# Altium PCB MB1166.PcbDoc (part 18 of 39)
Units mil, origin at the board's own origin, x right, y up, seen from the top; angles counter-clockwise.
Board outline 5000.99 x 2352.96 mil, 4 copper layers (TOP, L2_GND, L3_VCC, BOTTOM), stack 25.9 mil thick; 35 components, 24 nets, 166 pads, 143 vias.
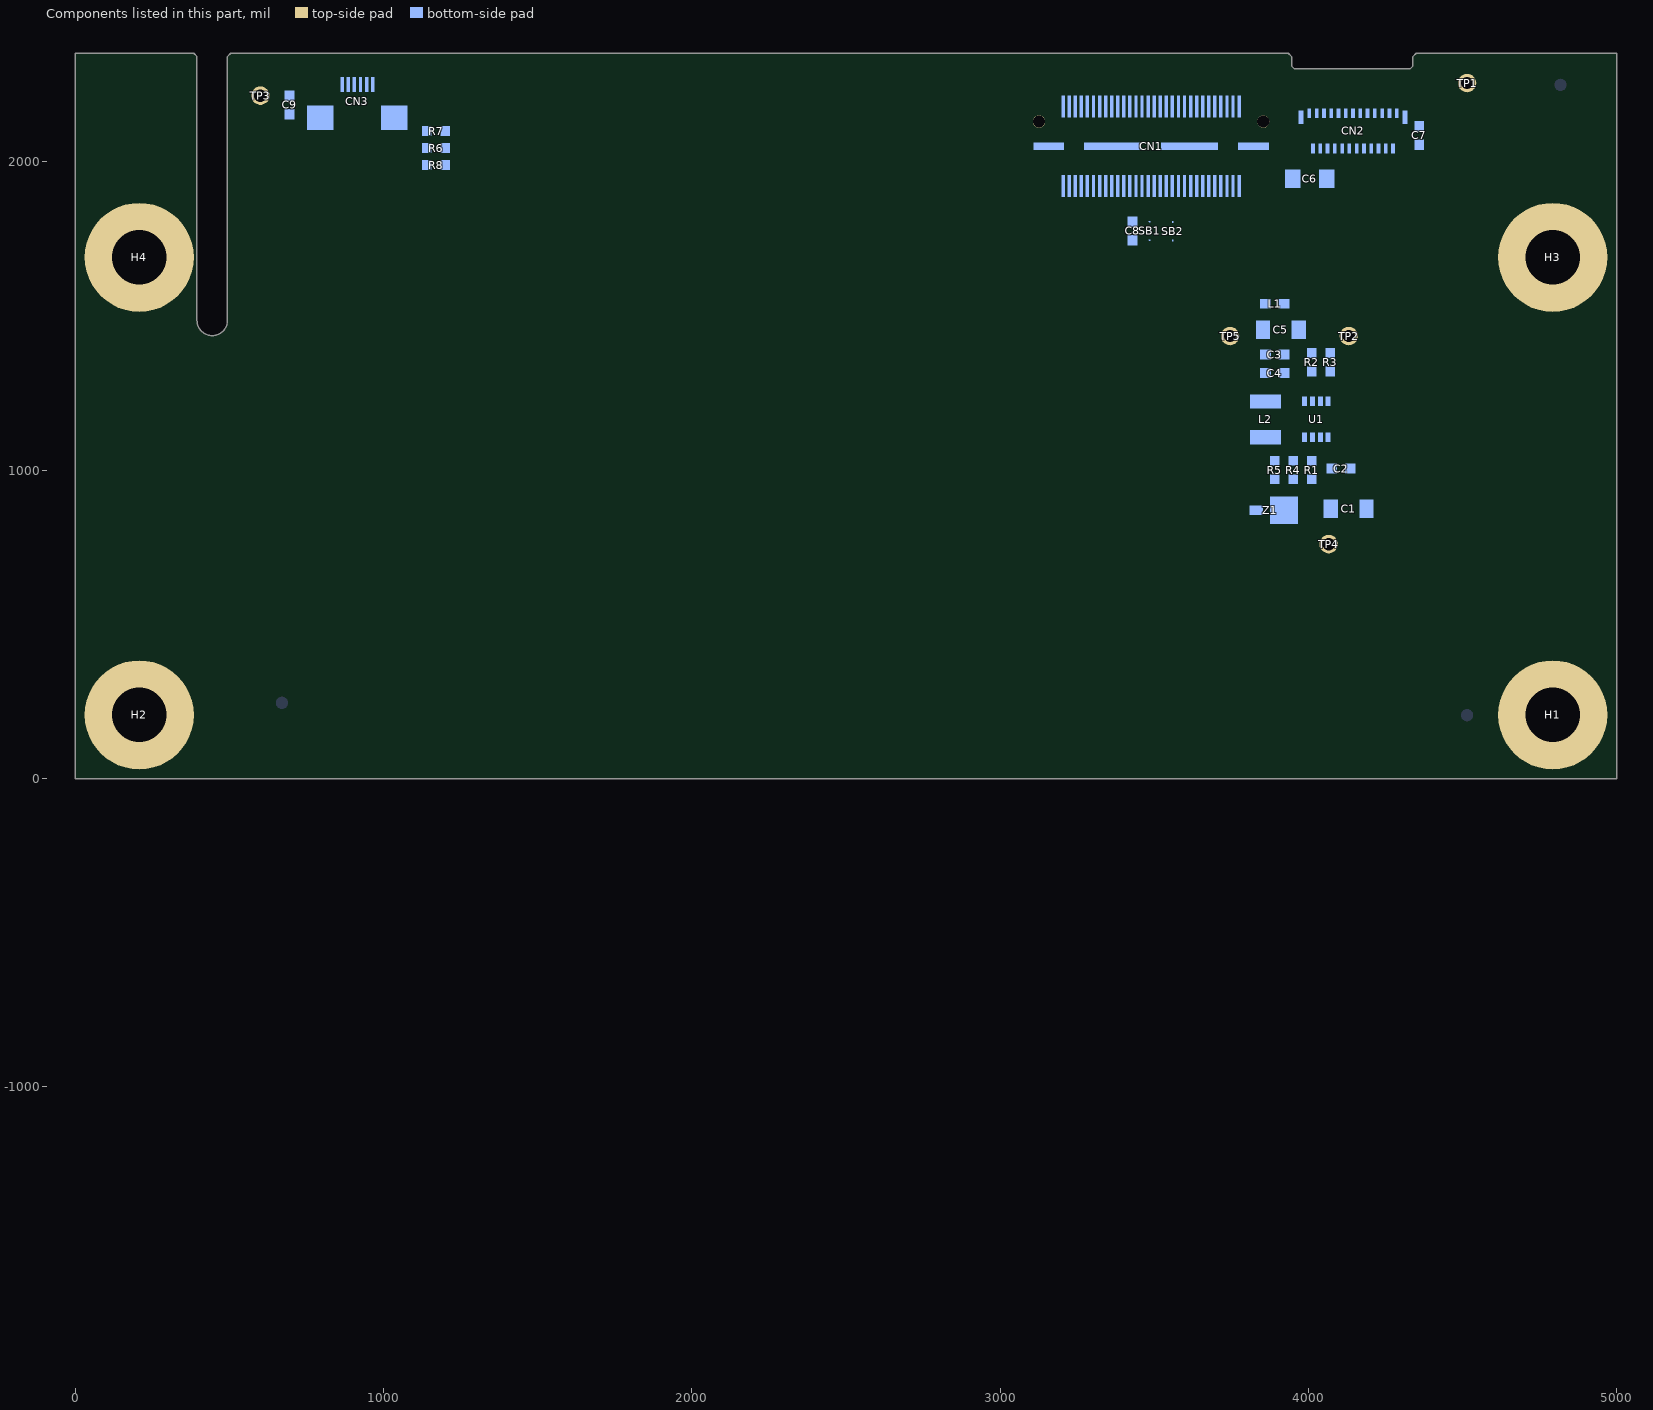
[diagram p20: the components of this part, seen from the top]

## Via types
v1: diameter 24, hole 12, TOP to BOTTOM, 143 vias

## Nets (pads, with @x,y where several pads share a name; then routed paths per layer and width w, separated by ;. In a path a pad name is that pad's centre, name@x,y a point inside that pad or via, vN(x,y) a via of type N, cw(c..) or ccw(c..) an arc to the next point about the centre after c; other vN are vias at no path point) (continued)
copper on no net: (continued)
  TOP w3: 513.31,-1092.9 513.36,-1092.82 ; 513.31,-1084.81 513.41,-1084.78 ; 513.31,-1084.81 513.41,-1084.78 ; 513.36,-1092.82 513.42,-1092.73 ; 513.36,-1092.82 513.42,-1092.73 ; 513.39,-1221.76 513.44,-1221.68 ; 513.39,-1221.76 513.44,-1221.68 ; 513.38,-1163.68 513.44,-1163.76 ; 513.38,-1163.68 513.44,-1163.76 ; 513.42,-1092.73 513.52,-1092.57 ; 513.42,-1092.73 513.52,-1092.57 ; 513.41,-1084.78 513.51,-1084.76 ; 513.41,-1084.78 513.51,-1084.76 ; 513.44,-1221.68 513.5,-1221.6 ; 513.44,-1221.68 513.5,-1221.6 ; 513.44,-1163.76 513.5,-1163.83 ; 513.44,-1163.76 513.5,-1163.83 ; 513.5,-1221.6 513.56,-1221.51 ; 513.5,-1221.6 513.56,-1221.51 ; 513.5,-1163.83 513.57,-1163.91 ; 513.5,-1163.83 513.57,-1163.91 ; 513.52,-1092.57 513.58,-1092.48 ; 513.52,-1092.57 513.58,-1092.48 ; 513.51,-1084.76 513.6,-1084.74 ; 513.51,-1084.76 513.6,-1084.74 ; 513.56,-1221.51 513.68,-1221.35 ; 513.56,-1221.51 513.68,-1221.35 ; 513.57,-1163.91 513.75,-1164.15 ; 513.57,-1163.91 513.75,-1164.15 ; 513.58,-1092.48 513.63,-1092.4 ; 513.58,-1092.48 513.63,-1092.4 ; 513.6,-1084.74 513.9,-1084.68 ; 513.6,-1084.74 513.9,-1084.68 ; 513.63,-1092.4 513.69,-1092.31 ; 513.63,-1092.4 513.69,-1092.31 ; 513.68,-1221.35 513.73,-1221.27 ; 513.68,-1221.35 513.73,-1221.27 ; 513.69,-1092.31 513.74,-1092.23 ; 513.69,-1092.31 513.74,-1092.23 ; 513.73,-1221.27 513.91,-1221.03 ; 513.73,-1221.27 513.91,-1221.03 ; 513.75,-1164.15 513.82,-1164.22 ; 513.75,-1164.15 513.82,-1164.22 ; 513.74,-1092.23 513.8,-1092.15 ; 513.74,-1092.23 513.8,-1092.15 ; 513.82,-1164.22 514,-1164.46 ; 513.82,-1164.22 514,-1164.46 ; 513.8,-1092.15 513.85,-1092.06 ; 513.8,-1092.15 513.85,-1092.06 ; 513.85,-1092.06 513.9,-1091.98 ; 513.85,-1092.06 513.9,-1091.98 ; 513.91,-1221.03 513.97,-1220.94 ; 513.91,-1221.03 513.97,-1220.94 ; 513.9,-1091.98 513.96,-1091.89 ; 513.9,-1091.98 513.96,-1091.89 ; 513.9,-1084.68 513.99,-1084.66 ; 513.9,-1084.68 513.99,-1084.66 ; 513.97,-1220.94 514.02,-1220.86 ; 513.97,-1220.94 514.02,-1220.86 ; 513.96,-1091.89 514.01,-1091.81 ; 513.96,-1091.89 514.01,-1091.81 ; 514.02,-1220.86 514.26,-1220.54 ; 514.02,-1220.86 514.26,-1220.54 ; 514,-1164.46 514.07,-1164.54 ; 514,-1164.46 514.07,-1164.54 ; 514.01,-1091.81 514.07,-1091.73 ; 514.01,-1091.81 514.07,-1091.73 ; 513.99,-1084.66 514.39,-1084.58 ; 513.99,-1084.66 514.39,-1084.58 ; 514.07,-1164.54 514.13,-1164.61 ; 514.07,-1164.54 514.13,-1164.61 ; 514.07,-1091.73 514.12,-1091.64 ; 514.07,-1091.73 514.12,-1091.64 ; 514.12,-1091.64 514.18,-1091.56 ; 514.12,-1091.64 514.18,-1091.56 ; 514.13,-1164.61 514.25,-1164.77 ; 514.13,-1164.61 514.25,-1164.77 ; 514.18,-1091.56 514.23,-1091.47 ; 514.18,-1091.56 514.23,-1091.47 ; 514.26,-1220.54 514.31,-1220.46 ; 514.26,-1220.54 514.31,-1220.46 ; 514.25,-1164.77 514.32,-1164.85 ; 514.25,-1164.77 514.32,-1164.85 ; 514.23,-1091.47 514.29,-1091.39 ; 514.23,-1091.47 514.29,-1091.39 ; 514.31,-1220.46 514.37,-1220.37 ; 514.31,-1220.46 514.37,-1220.37 ; 514.32,-1164.85 514.44,-1165.01 ; 514.32,-1164.85 514.44,-1165.01 ; 514.29,-1091.39 514.34,-1091.31 ; 514.29,-1091.39 514.34,-1091.31 ; 514.37,-1220.37 514.55,-1220.13 ; 514.37,-1220.37 514.55,-1220.13 ; 514.34,-1091.31 514.39,-1091.22 ; 514.34,-1091.31 514.39,-1091.22 ; 514.39,-1091.22 514.45,-1091.14 ; 514.39,-1091.22 514.45,-1091.14 ; 514.39,-1084.58 514.48,-1084.56 ; 514.39,-1084.58 514.48,-1084.56 ; 514.44,-1165.01 514.5,-1165.08 ; 514.44,-1165.01 514.5,-1165.08 ; 514.45,-1091.14 514.5,-1091.06 ; 514.45,-1091.14 514.5,-1091.06 ; 514.5,-1165.08 514.56,-1165.16 ; 514.5,-1165.08 514.56,-1165.16 ; 514.5,-1091.06 514.56,-1090.97 ; 514.5,-1091.06 514.56,-1090.97 ; 514.48,-1084.56 514.88,-1084.48 ; 514.48,-1084.56 514.88,-1084.48 ; 514.55,-1220.13 514.6,-1220.05 ; 514.55,-1220.13 514.6,-1220.05 ; 514.56,-1165.16 514.63,-1165.24 ; 514.56,-1165.16 514.63,-1165.24 ; 514.56,-1090.97 514.61,-1090.89 ; 514.56,-1090.97 514.61,-1090.89 ; 514.6,-1220.05 514.72,-1219.89 ; 514.6,-1220.05 514.72,-1219.89 ; 514.61,-1090.89 514.67,-1090.8 ; 514.61,-1090.89 514.67,-1090.8 ; 514.63,-1165.24 514.87,-1165.56 ; 514.63,-1165.24 514.87,-1165.56 ; 514.67,-1090.8 514.72,-1090.72 ; 514.67,-1090.8 514.72,-1090.72 ; 514.72,-1219.89 514.78,-1219.8 ; 514.72,-1219.89 514.78,-1219.8 ; 514.72,-1090.72 514.78,-1090.64 ; 514.72,-1090.72 514.78,-1090.64 ; 514.78,-1219.8 514.84,-1219.72 ; 514.78,-1219.8 514.84,-1219.72 ; 514.78,-1090.64 514.83,-1090.55 ; 514.78,-1090.64 514.83,-1090.55 ; 514.84,-1219.72 514.89,-1219.64 ; 514.84,-1219.72 514.89,-1219.64 ; 514.87,-1165.56 514.94,-1165.63 ; 514.87,-1165.56 514.94,-1165.63 ; 514.83,-1090.55 514.89,-1090.47 ; 514.83,-1090.55 514.89,-1090.47 ; 514.89,-1219.64 515.13,-1219.32 ; 514.89,-1219.64 515.13,-1219.32 ; 514.89,-1090.47 514.94,-1090.39 ; 514.89,-1090.47 514.94,-1090.39 ; 514.88,-1084.48 514.97,-1084.46 ; 514.88,-1084.48 514.97,-1084.46 ; 514.94,-1165.63 515.3,-1166.11 ; 514.94,-1165.63 515.3,-1166.11 ; 514.94,-1090.39 515,-1090.3 ; 514.94,-1090.39 515,-1090.3 ; 514.97,-1084.46 515.47,-1084.36 ; 514.97,-1084.46 515.47,-1084.36 ; 515,-1090.3 515.05,-1090.22 ; 515,-1090.3 515.05,-1090.22 ; 515.05,-1090.22 515.11,-1090.13 ; 515.05,-1090.22 515.11,-1090.13 ; 515.11,-1090.13 515.16,-1090.05 ; 515.11,-1090.13 515.16,-1090.05 ; 515.13,-1219.32 515.18,-1219.23 ; 515.13,-1219.32 515.18,-1219.23 ; 515.16,-1090.05 515.22,-1089.97 ; 515.16,-1090.05 515.22,-1089.97 ; 515.18,-1219.23 515.36,-1218.99 ; 515.18,-1219.23 515.36,-1218.99 ; 515.22,-1089.97 515.27,-1089.88 ; 515.22,-1089.97 515.27,-1089.88 ; 515.27,-1089.88 515.33,-1089.8 ; 515.27,-1089.88 515.33,-1089.8 ; 515.3,-1166.11 515.37,-1166.19 ; 515.3,-1166.11 515.37,-1166.19 ; 515.36,-1218.99 515.41,-1218.91 ; 515.36,-1218.99 515.41,-1218.91 ; 515.37,-1166.19 515.43,-1166.26 ; 515.37,-1166.19 515.43,-1166.26 ; 515.33,-1089.8 515.38,-1089.72 ; 515.33,-1089.8 515.38,-1089.72 ; 515.41,-1218.91 515.47,-1218.82 ; 515.41,-1218.91 515.47,-1218.82 ; 515.38,-1089.72 515.44,-1089.63 ; 515.38,-1089.72 515.44,-1089.63 ; 515.47,-1218.82 515.59,-1218.66 ; 515.47,-1218.82 515.59,-1218.66 ; 515.43,-1166.26 515.85,-1166.82 ; 515.43,-1166.26 515.85,-1166.82 ; 515.44,-1089.63 515.49,-1089.55 ; 515.44,-1089.63 515.49,-1089.55 ; 515.47,-1084.36 515.56,-1084.34 ; 515.47,-1084.36 515.56,-1084.34 ; 515.49,-1089.55 515.55,-1089.47 ; 515.49,-1089.55 515.55,-1089.47 ; 515.55,-1089.47 515.6,-1089.38 ; 515.55,-1089.47 515.6,-1089.38 ; 515.56,-1084.34 515.66,-1084.33 ; 515.56,-1084.34 515.66,-1084.33 ; 515.59,-1218.66 515.64,-1218.58 ; 515.59,-1218.66 515.64,-1218.58 ; 515.6,-1089.38 515.66,-1089.3 ; 515.6,-1089.38 515.66,-1089.3 ; 515.64,-1218.58 515.76,-1218.42 ; 515.64,-1218.58 515.76,-1218.42 ; 515.66,-1089.3 515.71,-1089.22 ; 515.66,-1089.3 515.71,-1089.22 ; 515.66,-1084.33 516.06,-1084.25 ; 515.66,-1084.33 516.06,-1084.25 ; 515.71,-1089.22 515.77,-1089.13 ; 515.71,-1089.22 515.77,-1089.13 ; 515.76,-1218.42 515.82,-1218.33 ; 515.76,-1218.42 515.82,-1218.33 ; 515.77,-1089.13 515.82,-1089.05 ; 515.77,-1089.13 515.82,-1089.05 ; 515.82,-1218.33 515.87,-1218.25 ; 515.82,-1218.33 515.87,-1218.25 ; 515.82,-1089.05 515.88,-1088.97 ; 515.82,-1089.05 515.88,-1088.97 ; 515.87,-1218.25 515.99,-1218.09 ; 515.87,-1218.25 515.99,-1218.09 ; 515.85,-1166.82 515.92,-1166.9 ; 515.85,-1166.82 515.92,-1166.9 ; 515.92,-1166.9 517.06,-1168.42 ; 515.92,-1166.9 517.06,-1168.42 ; 515.88,-1088.97 515.93,-1088.88 ; 515.88,-1088.97 515.93,-1088.88 ; 515.93,-1088.88 515.99,-1088.8 ; 515.93,-1088.88 515.99,-1088.8 ; 515.99,-1218.09 516.04,-1218.01 ; 515.99,-1218.09 516.04,-1218.01 ; 515.99,-1088.8 516.04,-1088.72 ; 515.99,-1088.8 516.04,-1088.72 ; 516.04,-1218.01 516.1,-1217.92 ; 516.04,-1218.01 516.1,-1217.92 ; 516.04,-1088.72 516.1,-1088.63 ; 516.04,-1088.72 516.1,-1088.63 ; 516.06,-1084.25 516.15,-1084.23 ; 516.06,-1084.25 516.15,-1084.23 ; 516.1,-1217.92 516.22,-1217.76 ; 516.1,-1217.92 516.22,-1217.76 ; 516.1,-1088.63 516.16,-1088.55 ; 516.1,-1088.63 516.16,-1088.55 ; 516.16,-1088.55 516.21,-1088.47 ; 516.16,-1088.55 516.21,-1088.47 ; 516.15,-1084.23 516.25,-1084.22 ; 516.15,-1084.23 516.25,-1084.22 ; 516.22,-1217.76 516.27,-1217.68 ; 516.22,-1217.76 516.27,-1217.68 ; 516.21,-1088.47 516.27,-1088.38 ; 516.21,-1088.47 516.27,-1088.38 ; 516.27,-1217.68 516.33,-1217.59 ; 516.27,-1217.68 516.33,-1217.59 ; 516.27,-1088.38 516.32,-1088.3 ; 516.27,-1088.38 516.32,-1088.3 ; 516.25,-1084.22 516.55,-1084.16 ; 516.25,-1084.22 516.55,-1084.16 ; 516.32,-1088.3 516.38,-1088.22 ; 516.32,-1088.3 516.38,-1088.22 ; 516.33,-1217.59 516.39,-1217.51 ; 516.33,-1217.59 516.39,-1217.51 ; 516.39,-1217.51 516.44,-1217.43 ; 516.39,-1217.51 516.44,-1217.43 ; 516.38,-1088.22 516.43,-1088.14 ; 516.38,-1088.22 516.43,-1088.14 ; 516.44,-1217.43 516.5,-1217.35 ; 516.44,-1217.43 516.5,-1217.35 ; 516.43,-1088.14 516.49,-1088.05 ; 516.43,-1088.14 516.49,-1088.05 ; 516.5,-1217.35 516.56,-1217.26 ; 516.5,-1217.35 516.56,-1217.26 ; 516.49,-1088.05 516.55,-1087.97 ; 516.49,-1088.05 516.55,-1087.97 ; 516.56,-1217.26 516.61,-1217.18 ; 516.56,-1217.26 516.61,-1217.18 ; 516.55,-1087.97 516.6,-1087.89 ; 516.55,-1087.97 516.6,-1087.89 ; 516.55,-1084.16 516.65,-1084.15 ; 516.55,-1084.16 516.65,-1084.15 ; 516.61,-1217.18 516.73,-1217.02 ; 516.61,-1217.18 516.73,-1217.02 ; 516.6,-1087.89 516.66,-1087.8 ; 516.6,-1087.89 516.66,-1087.8 ; 516.66,-1087.8 516.71,-1087.72 ; 516.66,-1087.8 516.71,-1087.72 ; 516.65,-1084.15 516.74,-1084.13 ; 516.65,-1084.15 516.74,-1084.13 ; 516.71,-1087.72 516.83,-1087.56 ; 516.71,-1087.72 516.83,-1087.56 ; 516.73,-1217.02 516.78,-1216.93 ; 516.73,-1217.02 516.78,-1216.93 ; 516.74,-1084.13 516.94,-1084.09 ; 516.74,-1084.13 516.94,-1084.09 ; 516.78,-1216.93 516.9,-1216.77 ; 516.78,-1216.93 516.9,-1216.77 ; 516.83,-1087.56 516.88,-1087.47 ; 516.83,-1087.56 516.88,-1087.47 ; 516.9,-1216.77 516.95,-1216.69 ; 516.9,-1216.77 516.95,-1216.69 ; 516.88,-1087.47 516.94,-1087.39 ; 516.88,-1087.47 516.94,-1087.39 ; 516.95,-1216.69 517.01,-1216.6 ; 516.95,-1216.69 517.01,-1216.6 ; 516.94,-1087.39 516.99,-1087.31 ; 516.94,-1087.39 516.99,-1087.31 ; 516.94,-1084.09 517.04,-1084.08 ; 516.94,-1084.09 517.04,-1084.08 ; 517.01,-1216.6 517.06,-1216.52 ; 517.01,-1216.6 517.06,-1216.52 ; 516.99,-1087.31 517.05,-1087.22 ; 516.99,-1087.31 517.05,-1087.22 ; 517.06,-1216.52 517.18,-1216.36 ; 517.06,-1216.52 517.18,-1216.36 ; 517.06,-1168.42 517.11,-1168.5 ; 517.06,-1168.42 517.11,-1168.5 ; 517.05,-1087.22 517.11,-1087.14 ; 517.05,-1087.22 517.11,-1087.14 ; 517.04,-1084.08 517.24,-1084.04 ; 517.04,-1084.08 517.24,-1084.04 ; 517.11,-1168.5 517.47,-1168.98 ; 517.11,-1168.5 517.47,-1168.98 ; 517.11,-1087.14 517.16,-1087.06 ; 517.11,-1087.14 517.16,-1087.06 ; 517.16,-1087.06 517.22,-1086.98 ; 517.16,-1087.06 517.22,-1086.98 ; 517.18,-1216.36 517.23,-1216.27 ; 517.18,-1216.36 517.23,-1216.27 ; 517.22,-1086.98 517.28,-1086.89 ; 517.22,-1086.98 517.28,-1086.89 ; 517.23,-1216.27 517.29,-1216.19 ; 517.23,-1216.27 517.29,-1216.19 ; 517.24,-1084.04 517.34,-1084.03 ; 517.24,-1084.04 517.34,-1084.03 ; 517.29,-1216.19 517.34,-1216.11 ; 517.29,-1216.19 517.34,-1216.11 ; 517.28,-1086.89 517.33,-1086.81 ; 517.28,-1086.89 517.33,-1086.81 ; 517.34,-1216.11 517.4,-1216.02 ; 517.34,-1216.11 517.4,-1216.02 ; 517.33,-1086.81 517.39,-1086.73 ; 517.33,-1086.81 517.39,-1086.73 ; 517.34,-1084.03 517.43,-1084.01 ; 517.34,-1084.03 517.43,-1084.01 ; 517.4,-1216.02 517.45,-1215.94 ; 517.4,-1216.02 517.45,-1215.94 ; 517.39,-1086.73 517.44,-1086.65 ; 517.39,-1086.73 517.44,-1086.65 ; 517.45,-1215.94 517.51,-1215.86 ; 517.45,-1215.94 517.51,-1215.86 ; 517.47,-1168.98 517.53,-1169.07 ; 517.47,-1168.98 517.53,-1169.07 ; 517.44,-1086.65 517.5,-1086.56 ; 517.44,-1086.65 517.5,-1086.56 ; 517.43,-1084.01 517.53,-1084 ; 517.43,-1084.01 517.53,-1084 ; 517.51,-1215.86 517.57,-1215.77 ; 517.51,-1215.86 517.57,-1215.77 ; 517.5,-1086.56 517.56,-1086.48 ; 517.5,-1086.56 517.56,-1086.48 ; 517.57,-1215.77 517.62,-1215.69 ; 517.57,-1215.77 517.62,-1215.69 ; 517.53,-1169.07 517.58,-1169.15 ; 517.53,-1169.07 517.58,-1169.15 ; 517.56,-1086.48 517.61,-1086.4 ; 517.56,-1086.48 517.61,-1086.4 ; 517.53,-1084 517.73,-1083.96 ; 517.53,-1084 517.73,-1083.96 ; 517.62,-1215.69 517.68,-1215.61 ; 517.62,-1215.69 517.68,-1215.61 ; 517.58,-1169.15 517.82,-1169.47 ; 517.58,-1169.15 517.82,-1169.47 ; 517.61,-1086.4 517.67,-1086.32 ; 517.61,-1086.4 517.67,-1086.32 ; 517.67,-1086.32 517.73,-1086.23 ; 517.67,-1086.32 517.73,-1086.23 ; 517.68,-1215.61 517.73,-1215.53 ; 517.68,-1215.61 517.73,-1215.53 ; 517.73,-1215.53 517.79,-1215.44 ; 517.73,-1215.53 517.79,-1215.44 ; 517.73,-1086.23 517.78,-1086.15 ; 517.73,-1086.23 517.78,-1086.15 ; 517.73,-1083.96 517.83,-1083.95 ; 517.73,-1083.96 517.83,-1083.95 ; 517.79,-1215.44 517.84,-1215.36 ; 517.79,-1215.44 517.84,-1215.36 ; 517.82,-1169.47 517.87,-1169.55 ; 517.82,-1169.47 517.87,-1169.55 ; 517.78,-1086.15 517.96,-1085.91 ; 517.78,-1086.15 517.96,-1085.91 ; 517.84,-1215.36 517.9,-1215.28 ; 517.84,-1215.36 517.9,-1215.28 ; 517.87,-1169.55 517.93,-1169.64 ; 517.87,-1169.55 517.93,-1169.64 ; 517.83,-1083.95 517.93,-1083.93 ; 517.83,-1083.95 517.93,-1083.93 ; 517.9,-1215.28 517.95,-1215.19 ; 517.9,-1215.28 517.95,-1215.19 ; 517.95,-1215.19 518.01,-1215.11 ; 517.95,-1215.19 518.01,-1215.11 ; 517.93,-1169.64 518.05,-1169.8 ; 517.93,-1169.64 518.05,-1169.8 ; 517.96,-1085.91 518.01,-1085.82 ; 517.96,-1085.91 518.01,-1085.82 ; 517.93,-1083.93 518.03,-1083.92 ; 517.93,-1083.93 518.03,-1083.92 ; 518.01,-1215.11 518.06,-1215.02 ; 518.01,-1215.11 518.06,-1215.02 ; 518.01,-1085.82 518.13,-1085.66 ; 518.01,-1085.82 518.13,-1085.66 ; 518.06,-1215.02 518.12,-1214.94 ; 518.06,-1215.02 518.12,-1214.94 ; 518.05,-1169.8 518.1,-1169.88 ; 518.05,-1169.8 518.1,-1169.88 ; 518.03,-1083.92 518.13,-1083.9 ; 518.03,-1083.92 518.13,-1083.9 ; 518.12,-1214.94 518.17,-1214.86 ; 518.12,-1214.94 518.17,-1214.86 ; 518.1,-1169.88 518.16,-1169.96 ; 518.1,-1169.88 518.16,-1169.96 ; 518.17,-1214.86 518.23,-1214.77 ; 518.17,-1214.86 518.23,-1214.77 ; 518.16,-1169.96 518.22,-1170.05 ; 518.16,-1169.96 518.22,-1170.05 ; 518.13,-1085.66 518.18,-1085.58 ; 518.13,-1085.66 518.18,-1085.58 ; 518.13,-1083.9 518.22,-1083.89 ; 518.13,-1083.9 518.22,-1083.89 ; 518.22,-1170.05 518.28,-1170.13 ; 518.22,-1170.05 518.28,-1170.13 ; 518.18,-1085.58 518.24,-1085.49 ; 518.18,-1085.58 518.24,-1085.49 ; 518.22,-1083.89 518.32,-1083.87 ; 518.22,-1083.89 518.32,-1083.87 ; 518.23,-1214.77 518.28,-1214.69 ; 518.23,-1214.77 518.28,-1214.69 ; 518.24,-1085.49 518.36,-1085.33 ; 518.24,-1085.49 518.36,-1085.33 ; 518.28,-1214.69 518.34,-1214.61 ; 518.28,-1214.69 518.34,-1214.61 ; 518.28,-1170.13 518.33,-1170.21 ; 518.28,-1170.13 518.33,-1170.21 ; 518.32,-1083.87 518.42,-1083.86 ; 518.32,-1083.87 518.42,-1083.86 ; 518.34,-1214.61 518.39,-1214.52 ; 518.34,-1214.61 518.39,-1214.52 ; 518.33,-1170.21 518.39,-1170.29 ; 518.33,-1170.21 518.39,-1170.29 ; 518.36,-1085.33 518.41,-1085.25 ; 518.36,-1085.33 518.41,-1085.25 ; 518.39,-1214.52 518.45,-1214.44 ; 518.39,-1214.52 518.45,-1214.44 ; 518.39,-1170.29 518.45,-1170.38 ; 518.39,-1170.29 518.45,-1170.38 ; 518.41,-1085.25 518.47,-1085.17 ; 518.41,-1085.25 518.47,-1085.17 ; 518.42,-1083.86 518.52,-1083.84 ; 518.42,-1083.86 518.52,-1083.84 ; 518.45,-1214.44 518.5,-1214.36 ; 518.45,-1214.44 518.5,-1214.36 ; 518.45,-1170.38 518.5,-1170.46 ; 518.45,-1170.38 518.5,-1170.46 ; 518.47,-1085.17 518.53,-1085.08 ; 518.47,-1085.17 518.53,-1085.08 ; 518.5,-1214.36 518.56,-1214.27 ; 518.5,-1214.36 518.56,-1214.27 ; 518.5,-1170.46 518.56,-1170.54 ; 518.5,-1170.46 518.56,-1170.54 ; 518.52,-1083.84 518.62,-1083.83 ; 518.52,-1083.84 518.62,-1083.83 ; 518.56,-1214.27 518.61,-1214.19 ; 518.56,-1214.27 518.61,-1214.19 ; 518.56,-1170.54 518.61,-1170.62 ; 518.56,-1170.54 518.61,-1170.62 ; 518.53,-1085.08 518.58,-1085 ; 518.53,-1085.08 518.58,-1085 ; 518.61,-1214.19 518.66,-1214.1 ; 518.61,-1214.19 518.66,-1214.1 ; 518.61,-1170.62 518.67,-1170.71 ; 518.61,-1170.62 518.67,-1170.71 ; 518.58,-1085 518.76,-1084.76 ; 518.58,-1085 518.76,-1084.76 ; 518.62,-1083.83 518.72,-1083.81 ; 518.62,-1083.83 518.72,-1083.81 ; 518.66,-1214.1 518.72,-1214.02 ; 518.66,-1214.1 518.72,-1214.02 ; 518.67,-1170.71 518.73,-1170.79 ; 518.67,-1170.71 518.73,-1170.79 ; 518.72,-1214.02 518.77,-1213.94 ; 518.72,-1214.02 518.77,-1213.94 ; 518.72,-1083.81 518.82,-1083.8 ; 518.72,-1083.81 518.82,-1083.8 ; 518.77,-1213.94 518.83,-1213.85 ; 518.77,-1213.94 518.83,-1213.85 ; 518.73,-1170.79 518.78,-1170.87 ; 518.73,-1170.79 518.78,-1170.87 ; 518.76,-1084.76 518.81,-1084.68 ; 518.76,-1084.76 518.81,-1084.68 ; 518.78,-1170.87 518.84,-1170.95 ; 518.78,-1170.87 518.84,-1170.95 ; 518.81,-1084.68 518.87,-1084.59 ; 518.81,-1084.68 518.87,-1084.59 ; 518.82,-1083.8 518.92,-1083.78 ; 518.82,-1083.8 518.92,-1083.78 ; 518.83,-1213.85 518.88,-1213.77 ; 518.83,-1213.85 518.88,-1213.77 ; 518.84,-1170.95 518.89,-1171.04 ; 518.84,-1170.95 518.89,-1171.04 ; 518.87,-1084.59 519.05,-1084.35 ; 518.87,-1084.59 519.05,-1084.35 ; 518.88,-1213.77 518.94,-1213.68 ; 518.88,-1213.77 518.94,-1213.68 ; 518.89,-1171.04 518.95,-1171.12 ; 518.89,-1171.04 518.95,-1171.12 ; 518.92,-1083.78 519.02,-1083.77 ; 518.92,-1083.78 519.02,-1083.77 ; 518.94,-1213.68 518.99,-1213.6 ; 518.94,-1213.68 518.99,-1213.6 ; 518.95,-1171.12 519,-1171.2 ; 518.95,-1171.12 519,-1171.2 ; 518.99,-1213.6 519.04,-1213.51 ; 518.99,-1213.6 519.04,-1213.51 ; 519,-1171.2 519.06,-1171.29 ; 519,-1171.2 519.06,-1171.29 ; 519.02,-1083.77 519.11,-1083.75 ; 519.02,-1083.77 519.11,-1083.75 ; 519.04,-1213.51 519.1,-1213.43 ; 519.04,-1213.51 519.1,-1213.43 ; 519.06,-1171.29 519.12,-1171.37 ; 519.06,-1171.29 519.12,-1171.37 ; 519.05,-1084.35 519.1,-1084.27 ; 519.05,-1084.35 519.1,-1084.27 ; 519.1,-1213.43 519.15,-1213.35 ; 519.1,-1213.43 519.15,-1213.35 ; 519.12,-1171.37 519.17,-1171.45 ; 519.12,-1171.37 519.17,-1171.45 ; 519.1,-1084.27 519.16,-1084.19 ; 519.1,-1084.27 519.16,-1084.19 ; 519.11,-1083.75 519.31,-1083.73 ; 519.11,-1083.75 519.31,-1083.73 ; 519.15,-1213.35 519.2,-1213.26 ; 519.15,-1213.35 519.2,-1213.26 ; 519.17,-1171.45 519.22,-1171.54 ; 519.17,-1171.45 519.22,-1171.54 ; 519.16,-1084.19 519.22,-1084.1 ; 519.16,-1084.19 519.22,-1084.1 ; 519.2,-1213.26 519.26,-1213.18 ; 519.2,-1213.26 519.26,-1213.18 ; 519.22,-1171.54 519.28,-1171.62 ; 519.22,-1171.54 519.28,-1171.62 ; 519.22,-1084.1 519.34,-1083.94 ; 519.22,-1084.1 519.34,-1083.94 ; 519.26,-1213.18 519.31,-1213.09 ; 519.26,-1213.18 519.31,-1213.09 ; 519.31,-1213.09 519.36,-1213.01 ; 519.31,-1213.09 519.36,-1213.01 ; 519.28,-1171.62 519.33,-1171.71 ; 519.28,-1171.62 519.33,-1171.71 ; 519.31,-1083.73 519.41,-1083.71 ; 519.31,-1083.73 519.41,-1083.71 ; 519.36,-1213.01 519.42,-1212.92 ; 519.36,-1213.01 519.42,-1212.92 ; 519.33,-1171.71 519.39,-1171.79 ; 519.33,-1171.71 519.39,-1171.79 ; 519.34,-1083.94 519.39,-1083.86 ; 519.34,-1083.94 519.39,-1083.86 ; 519.42,-1212.92 519.47,-1212.84 ; 519.42,-1212.92 519.47,-1212.84 ; 519.39,-1171.79 519.44,-1171.87 ; 519.39,-1171.79 519.44,-1171.87 ; 519.39,-1083.86 519.51,-1083.7 ; 519.39,-1083.86 519.51,-1083.7 ; 519.41,-1083.71 519.51,-1083.7 ; 519.41,-1083.71 519.51,-1083.7 ; 519.47,-1212.84 519.52,-1212.75 ; 519.47,-1212.84 519.52,-1212.75 ; 519.44,-1171.87 519.5,-1171.96 ; 519.44,-1171.87 519.5,-1171.96 ; 519.52,-1212.75 519.58,-1212.67 ; 519.52,-1212.75 519.58,-1212.67 ; 519.5,-1171.96 519.55,-1172.04 ; 519.5,-1171.96 519.55,-1172.04 ; 519.55,-1172.04 519.61,-1172.13 ; 519.55,-1172.04 519.61,-1172.13 ; 519.58,-1212.67 519.63,-1212.58 ; 519.58,-1212.67 519.63,-1212.58 ; 519.61,-1172.13 519.71,-1172.29 ; 519.61,-1172.13 519.71,-1172.29 ; 519.63,-1212.58 519.68,-1212.5 ; 519.63,-1212.58 519.68,-1212.5 ; 519.68,-1212.5 519.74,-1212.41 ; 519.68,-1212.5 519.74,-1212.41 ; 519.71,-1172.29 519.77,-1172.38 ; 519.71,-1172.29 519.77,-1172.38 ; 519.74,-1212.41 519.79,-1212.33 ; 519.74,-1212.41 519.79,-1212.33 ; 519.77,-1172.38 519.82,-1172.46 ; 519.77,-1172.38 519.82,-1172.46 ; 519.79,-1212.33 519.84,-1212.24 ; 519.79,-1212.33 519.84,-1212.24 ; 519.82,-1172.46 519.87,-1172.55 ; 519.82,-1172.46 519.87,-1172.55 ; 519.84,-1212.24 519.89,-1212.16 ; 519.84,-1212.24 519.89,-1212.16 ; 519.87,-1172.55 519.93,-1172.63 